# Altium PCB Motor Interface - Copy.PcbDoc (part 1 of 2) (continued)
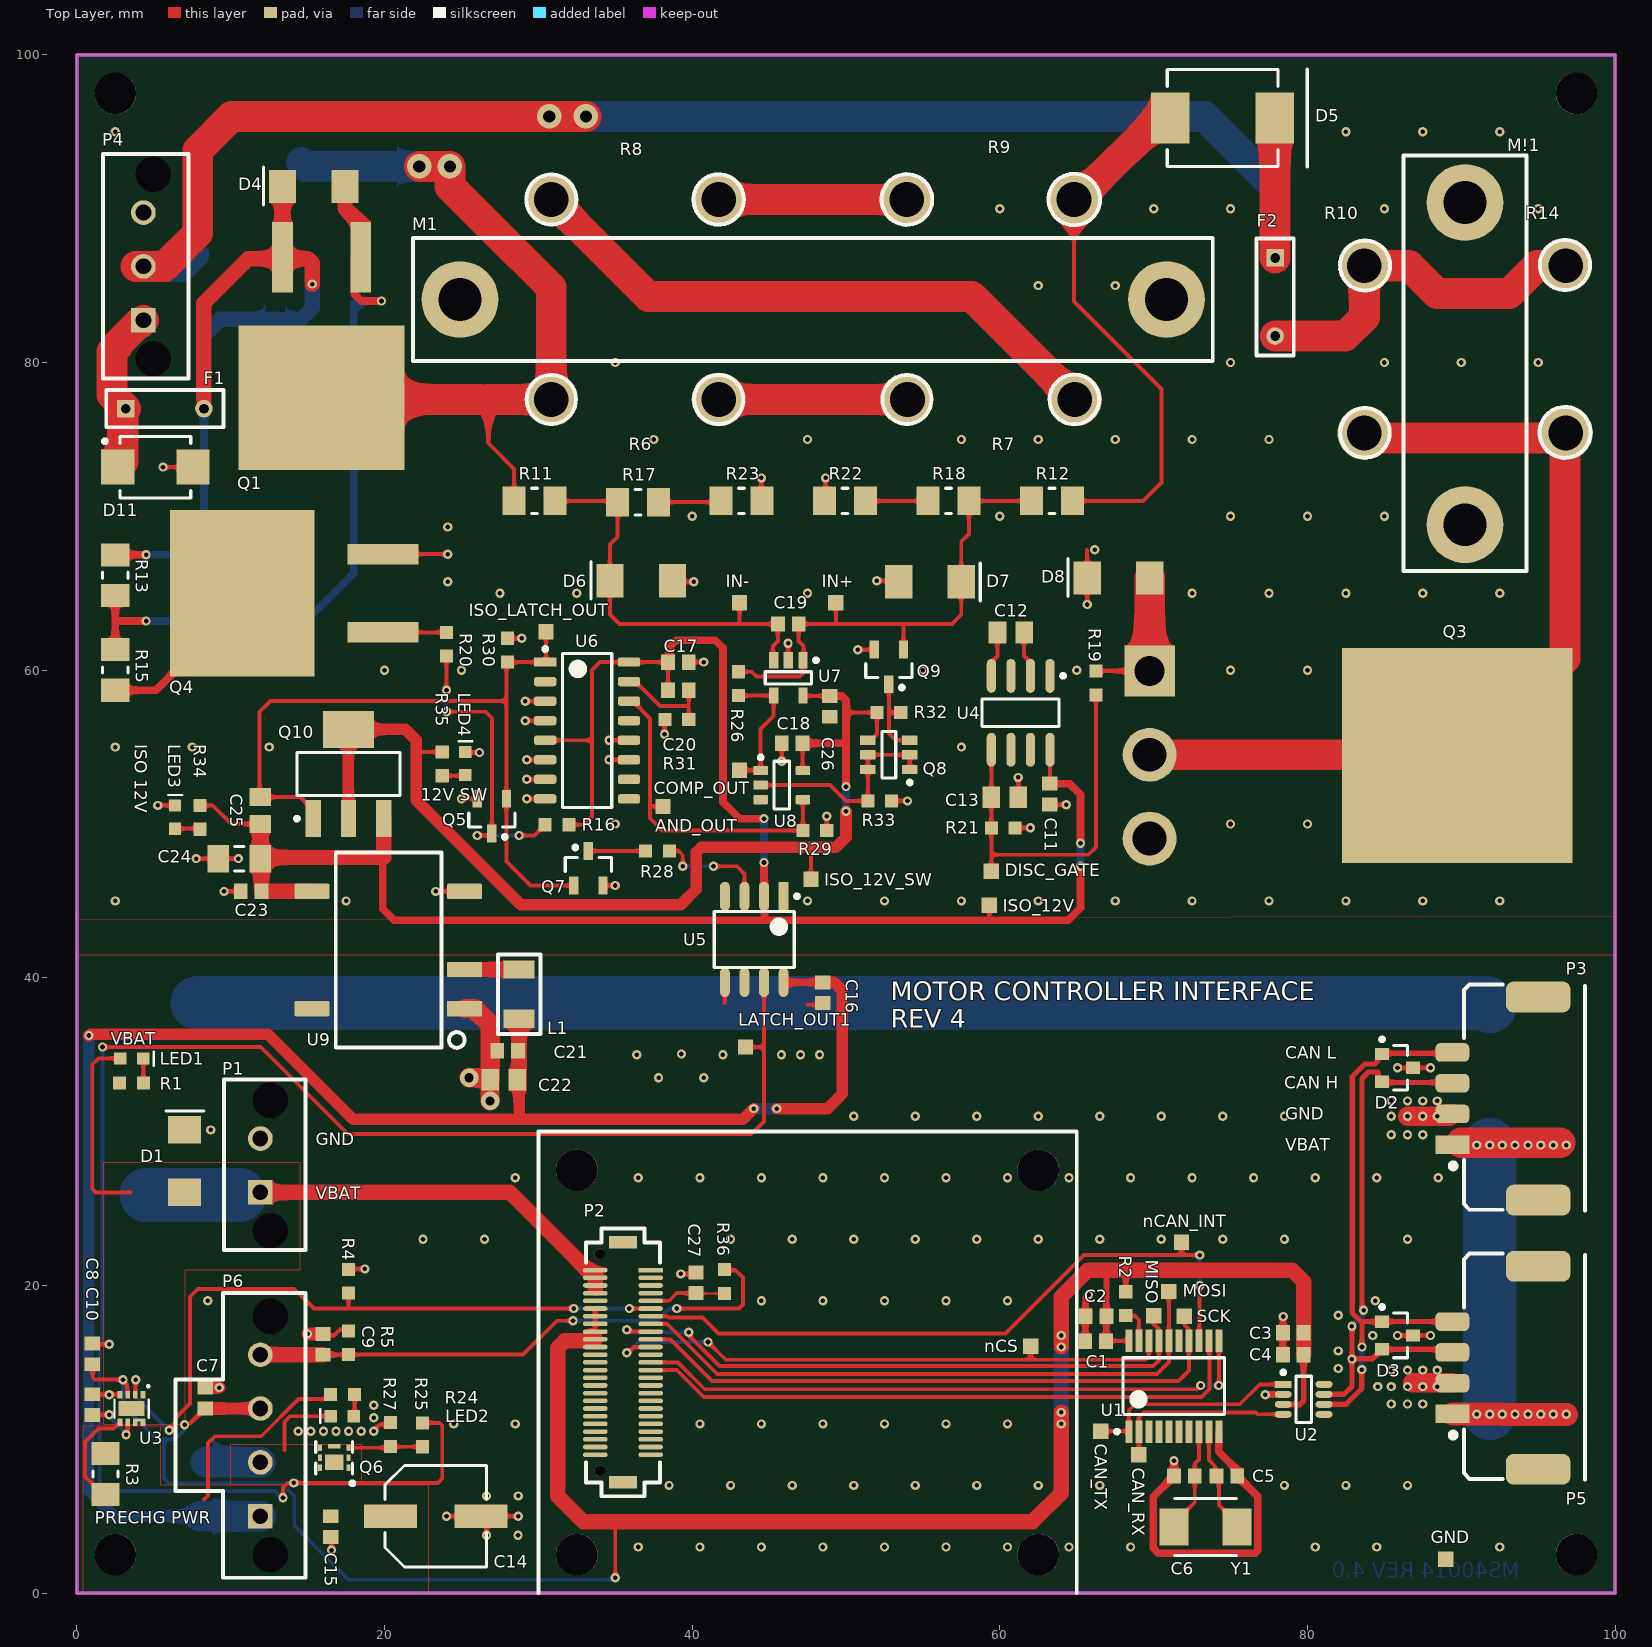
[diagram p0: Top Layer view]
## Part data (continued)
C22: "4.7µF ±20% 50V Ceramic Capacitor X5R 0805 (2012 Metric)", Manufacturer 1="Murata Electronics North America", Manufacturer Part Number 1=GRT21BR61H475ME13L, Operating Temperature="-55°C ~ 85°C", Package / Case="0805 (2012 Metric)", Ratings=AEC-Q200, Supplier Part Number 1=490-12395-1-ND, Temperature Coefficient=X5R, Tolerance=±20%, Voltage - Rated=50V, Applications=Automotive, Category=Capacitors, ComponentLink1Description=http://search.murata.co.jp/Ceramy/image/img/A01X/G101/ENG/GRT21BR61H475ME13-01.pdf, ComponentLink1URL=http://search.murata.co.jp/Ceramy/image/img/A01X/G101/ENG/GRT21BR61H475ME13-01.pdf, Description 1="CAP CER 4.7UF 50V X5R 0805", Features=-, Height - Seated (Max)=-, Lead Spacing=-, Lead Style=-, Mounting Type="Surface Mount, MLCC", Packaging="Cut Tape (CT)", Part Status=Active, Pricing 1="1=0.56, 10=0.389, 100=0.2338, 500=0.17536, 1000=0.14808 (CAD)", RoHS="RoHS Compliant", Size / Dimension="0.079\" L x 0.049\" W (2.00mm x 1.25mm)", Stock 1=4286, Supplier 1=Digi-Key, Thickness (Max)="0.057\" (1.45mm)"
C24: "2.2µF ±20% 100V Ceramic Capacitor X7R 1206 (3216 Metric)", Capacitance=2.2µF, Manufacturer 1="Murata Electronics North America", Manufacturer Part Number 1=GRM31CR72A225MA73L, Operating Temperature="-55°C ~ 125°C", Package / Case="1206 (3216 Metric)", Ratings=-, Supplier Part Number 1=490-12773-1-ND, Temperature Coefficient=X7R, Tolerance=±20%, Voltage=100V, ComponentLink1Description=http://www.murata.com/~/media/webrenewal/support/library/catalog/products/capacitor/mlcc/c02e.ashx, ComponentLink1URL=http://www.murata.com/~/media/webrenewal/support/library/catalog/products/capacitor/mlcc/c02e.ashx, Height - Seated (Max)=-, Lead Spacing=-, Lead Style=-, Mounting Type="Surface Mount, MLCC", Packaging="Cut Tape (CT)", Part Status=Active, Size / Dimension="0.126\" L x 0.063\" W (3.20mm x 1.60mm)", Supplier 1=Digi-Key, Thickness (Max)="0.071\" (1.80mm)"
CAN_RX CAN_TX MISO MOSI nCAN_INT nCS SCK: library part "Test Point"
D1: "TVS DIODE 15VWM 24.4VC SMB", Capacitance @ Frequency=-, Current - Peak Pulse (10/1000µs)=24.6A, Manufacturer 1="Fairchild/ON Semiconductor", Manufacturer Part Number 1=SMBJ15CA, Operating Temperature="-55°C ~ 150°C (TJ)", Package / Case="DO-214AA, SMB", Power - Peak Pulse=600W, Power Line Protection=No, Supplier Device Package="DO-214AA (SMB)", Supplier Part Number 1=SMBJ15CAFSCT-ND, Voltage - Breakdown (Min)=16.7V, Voltage - Clamping (Max) @ Ipp=24.4V, Voltage - Reverse Standoff (Typ)=15V, Applications="General Purpose", Category="Circuit Protection", ComponentLink1Description=https://www.fairchildsemi.com/datasheets/SM/SMBJ10CA.pdf, ComponentLink1URL=https://www.fairchildsemi.com/datasheets/SM/SMBJ10CA.pdf, Description 1="TVS DIODE 15VWM 24.4VC SMB", Mounting Type="Surface Mount", Packaging="Cut Tape (CT)", Part Status=Active, Pricing 1="1=0.54, 10=0.444, 100=0.3027, 500=0.22704, 1000=0.17028 (CAD)", RoHS="RoHS Compliant", Stock 1=24965, Supplier 1=Digi-Key, Type=Zener
D2 D3: "TVS DIODE 24VWM 70VC SOT23", Capacitance @ Frequency="11pF @ 1MHz", Current - Peak Pulse (10/1000µs)="3A (8/20µs)", Manufacturer 1="Nexperia USA Inc.", Manufacturer Part Number 1=PESD1CAN,215, Operating Temperature="-65°C ~ 150°C (TA)", Package / Case="TO-236-3, SC-59, SOT-23-3", Power - Peak Pulse=200W, Power Line Protection=No, Supplier Device Package="SOT-23 (TO-236AB)", Supplier Part Number 1=1727-3817-1-ND, Voltage - Breakdown (Min)=25.4V, Voltage - Clamping (Max) @ Ipp=70V, ComponentLink1Description=http://assets.nexperia.com/documents/data-sheet/PESD1CAN.pdf, ComponentLink1URL=http://assets.nexperia.com/documents/data-sheet/PESD1CAN.pdf, Mounting Type="Surface Mount", Packaging="Cut Tape (CT)", Part Status=Active, Supplier 1=Digi-Key, Type=Zener
D4 D6 D7 D8: "Zener Diode 16V 5W ±5% Surface Mount DO-214AA (SMB)", Manufacture="Micro Commercial Co", Manufacture Part Number=SMBJ5353B-TP, Power (Max)=5W, Supplier Part Number 1=SMBJ5353B-TPMSCT-ND, Voltage - Forward="1.2V @ 1A", Voltage - Zener (Nom)=16V, Impedence (Max)="2.5 Ohm", Supplier 1=Digi-Key
D5: Average Rectified Current=8A, Case/Package=SMC, Forward Voltage=985mV, Manufacturer=Diodes, Manufacturer Part Number=S8KC-13, Max Forward Surge Current (Ifsm)=200A, Max Operating Temperature=150°C, Max Repetitive Reverse Voltage (Vrrm)=800V, Min Operating Temperature=-65°C, Package Quantity=3000, Peak Reverse Current=10uA, Supplier Part Number 1=S8KCDICT-ND, ComponentLink1Description=https://datasheet.ciiva.com/15144/getdatasheetpartid-61102-15144323.pdf, ComponentLink1URL=https://datasheet.ciiva.com/15144/getdatasheetpartid-61102-15144323.pdf, ComponentLink2Description=https://datasheet.ciiva.com/16388/ds31117-16388346.pdf, ComponentLink2URL=https://datasheet.ciiva.com/16388/ds31117-16388346.pdf, ComponentLink3Description=https://datasheet.ciiva.com/914/ds31117-914779.pdf, ComponentLink3URL=https://datasheet.ciiva.com/914/ds31117-914779.pdf, ComponentLink4Description=https://datasheet.ciiva.com/4453/ds31117-63855-4453947.pdf, ComponentLink4URL=https://datasheet.ciiva.com/4453/ds31117-63855-4453947.pdf, Contact Plating=Tin,Matte, Element Configuration=Single, Forward Current=8A, Height=2.42mm, Lead Free="Lead Free", Length=7.11mm, Max Reverse Voltage (DC)=800V, Max Surge Current=200A, Mount="Surface Mount", Number of Pins=2, Packaging="Tape and Reel", Peak Non-Repetitive Surge Current=200A, Pricing 1="1=0.68, 10=0.598, 100=0.4586, 500=0.36256, 1000=0.29005 (USD)", Radiation Hardening=No, Reverse Voltage (DC)=800V, Stock 1=38298, Supplier 1=Digi-Key, Weight=0.007408oz, Width=6.22mm
D9: "Diode Schottky 60V 3A Surface Mount SMA", Capacitance @ Vr, F="200pF @ 4V, 1MHz", Current - Average Rectified (Io)=3A, Current - Reverse Leakage @ Vr="500µA @ 60V", Manufacturer 1="Diodes Incorporated", Manufacturer Part Number 1=B360A-13-F, Operating Temperature - Junction="-55°C ~ 150°C", Package / Case="DO-214AC, SMA", Supplier Device Package=SMA, Supplier Part Number 1=B360A-FDICT-ND, Voltage - DC Reverse (Vr) (Max)=60V, Voltage - Forward (Vf) (Max) @ If="700mV @ 3A", ComponentLink1Description=https://www.diodes.com/assets/Datasheets/ds30891.pdf, ComponentLink1URL=https://www.diodes.com/assets/Datasheets/ds30891.pdf, Diode Type=Schottky, Mounting Type="Surface Mount", Packaging="Cut Tape (CT)", Part Status=Active, Speed="Fast Recovery =< 500ns, > 200mA (Io)", Supplier 1=Digi-Key
D10 D11: library part "DIODE TVS 154V 246V DO-2144A (SMB)", Manufacturer=Littelfuse, Manufacturer Part Number=TPSMB180CA, Supplier Part Number 1=F10356CT-ND, Pricing 1="1=0.84, 10=0.734, 25=0.6504, 100=0.5664, 250=0.493, 500=0.41958, 1000=0.33566 (USD)", Stock 1=2900, Supplier 1=Digi-Key
F1 F2: library part "FUSE 3A 250VAC/450VDC RADIAL", "FUSE BOARD MNT 3A 250VAC/450VDC", Case/Package=Radial, Current Rating=3A, Manufacturer=Eaton, Manufacturer Part Number=BK/PCC-3-R, Supplier Part Number 1=283-2768-ND, Voltage Rating=250V, Voltage Rating (DC)=450V, Approvals=CSA,UL, ComponentLink1Description=http://www.cooperindustries.com/content/dam/public/bussmann/Electronics/Resources/product-datasheets/Bus_Elx_DS_2034_PC_Tron_Series.pdf, ComponentLink1URL=http://www.cooperindustries.com/content/dam/public/bussmann/Electronics/Resources/product-datasheets/Bus_Elx_DS_2034_PC_Tron_Series.pdf, Contact Plating=Tin, Depth=2.41mm, Fuse Type="Board Mount (Cartridge Style Excluded)", Height=0.17inch, Housing Material=Plastic, Length=0.3inch, Mount="Through Hole", Number of Pins=2, Packaging=Bulk, RoHS=Yes, Stock 1=4171, Supplier 1=Digi-Key, Supplier Packaging 1=Bulk, Voltage Rating (AC)=250V, Width=0.095inch
L1: "6.8µH Shielded Wirewound Inductor 260mA 204 mOhm Max 1210 (3225 Metric)", Current - Saturation=-, Current Rating=260mA, DC Resistance (DCR)="204 mOhm Max", Inductance=6.8µH, Manufacturer 1="TDK Corporation", Manufacturer Part Number 1=NLFV32T-6R8M-EF, Operating Temperature="-40°C ~ 105°C", Package / Case="1210 (3225 Metric)", Supplier Part Number 1=445-15776-1-ND, Tolerance=±20%, ComponentLink1Description=https://product.tdk.com/info/en/catalog/datasheets/inductor_commercial_decoupling_nlfv32-ef_en.pdf, ComponentLink1URL=https://product.tdk.com/info/en/catalog/datasheets/inductor_commercial_decoupling_nlfv32-ef_en.pdf, Frequency - Self Resonant=-, Height - Seated (Max)="0.094\" (2.40mm)", Material - Core=Ferrite, Mounting Type="Surface Mount", Packaging="Cut Tape (CT)", Part Status=Active, Q @ Freq=-, Ratings=-, Shielding=Shielded, Size / Dimension="0.126\" L x 0.098\" W (3.20mm x 2.50mm)", Supplier 1=Digi-Key, Supplier Device Package="1210 (3225 Metric)", Type=Wirewound
LED1: "Green 572nm LED Indication - Discrete 2V 0603 (1608 Metric)", Color=Green, Current - Test=20mA, Lens Color=Colorless, Manufacturer="Wurth Electronics Inc.", Manufacturer Part Number=150060VS75000, Millicandela Rating=40mcd, Package / Case="0603 (1608 Metric)", Supplier Device Package=0603, Supplier Part Number 1=732-4980-1-ND, Voltage - Forward (Vf) (Typ)=2V, Category=Optoelectronics, ComponentLink1Description=http://katalog.we-online.de/led/datasheet/150060VS75000.pdf, ComponentLink1URL=http://katalog.we-online.de/led/datasheet/150060VS75000.pdf, Features=-, Height (Max)=0.80mm, Lens Style/Size="Rectangle with Flat Top, 1.10mm x 0.70mm", Lens Transparency=Clear, Mounting Type="Surface Mount", Packaging="Cut Tape (CT)", Part Status=Active, Pricing 1="1=0.21, 100=0.1617, 500=0.13964 (CAD)", RoHS="RoHS Compliant", Size / Dimension="1.60mm L x 0.80mm W", Stock 1=9408, Supplier 1=Digi-Key, Viewing Angle=140°, Wavelength - Dominant=570nm, Wavelength - Peak=572nm
LED2 LED3: "Blue 470nm LED Indication - Discrete 2.8V 0603 (1608 Metric)", Color=Blue, Current - Test=5mA, Lens Color=Colorless, Manufacturer 1="Lite-On Inc.", Manufacturer Part Number 1=LTST-C193TBKT-5A, Millicandela Rating=15mcd, Package / Case="0603 (1608 Metric)", Supplier Device Package="Chip LED", Supplier Part Number 1=160-1827-1-ND, Voltage - Forward (Vf) (Typ)=2.8V, ComponentLink1Description=http://optoelectronics.liteon.com/upload/download/DS22-2004-060/P_100_LTST-C193TBKT-5A.pdf, ComponentLink1URL=http://optoelectronics.liteon.com/upload/download/DS22-2004-060/P_100_LTST-C193TBKT-5A.pdf, Height (Max)=0.45mm, Lens Style/Size="Rectangle with Flat Top, 1.15mm x 0.80mm", Lens Transparency=Clear, Mounting Type="Surface Mount", Packaging="Cut Tape (CT)", Part Status=Active, Size / Dimension="1.60mm L x 0.80mm W", Supplier 1=Digi-Key, Viewing Angle=130°, Wavelength - Dominant=470nm, Wavelength - Peak=468nm
LED4: "Yellow 590nm LED Indication - Discrete 2V 0603 (1608 Metric)", Color=Yellow, Current - Test=20mA, Lens Color=Colorless, Manufacturer="Wurth Electronics Inc.", Manufacturer Part Number=150060YS75000, Millicandela Rating=120mcd, Package / Case="0603 (1608 Metric)", Supplier Device Package=0603, Supplier Part Number 1=732-4981-1-ND, Voltage - Forward (Vf) (Typ)=2V, Category=Optoelectronics, ComponentLink1Description=http://katalog.we-online.de/led/datasheet/150060YS75000.pdf, ComponentLink1URL=http://katalog.we-online.de/led/datasheet/150060YS75000.pdf, Features=-, Height (Max)=0.80mm, Lens Style/Size="Rectangle with Flat Top, 1.10mm x 0.70mm", Lens Transparency=Clear, Mounting Type="Surface Mount", Packaging="Cut Tape (CT)", Part Status=Active, Pricing 1="1=0.21, 100=0.1617, 500=0.13964 (CAD)", RoHS="RoHS Compliant", Size / Dimension="1.60mm L x 0.80mm W", Stock 1=10523, Supplier 1=Digi-Key, Viewing Angle=140°, Wavelength - Dominant=590nm, Wavelength - Peak=595nm
M1: "n Heat Sink TO-220, TO-247, TO-264 Aluminum Board Level, Vertical", Manufacturer=Wakefield, Manufacturer Part Number=OMNI-UNI-30-50-D, Supplier Part Number 1=345-1574-ND, Pricing 1="1=4.09, 10=3.98, 25=3.8724, 50=3.6572, 100=3.4421, 250=3.22696, 500=3.11938, 1000=2.79669 (USD)", Stock 1=465, Supplier 1=Digi-Key
M!1: "Heat Sink TO-220, TO-247, TO-264 Aluminum Board Level, Vertical", Manufacturer=Wakefield, Manufacturer Part Number=OMNI-UNI-30-50-D, Supplier Part Number 1=345-1573-ND, Pricing 1="1=2.8, 10=2.728, 25=2.6544, 50=2.5068, 100=2.3594, 250=2.21192, 500=2.13818, 1000=1.91698, 5000=1.88012 (USD)", Stock 1=499, Supplier 1=Digi-Key
P1: "2 Positions Header, Shrouded Connector 0.138\" (3.50mm) Through Hole Gold", Current Rating=-, Insulation Color=Black, Manufacturer 1="Molex, LLC", Manufacturer Part Number 1=1722861302, Material Flammability Rating="UL94 V-0", Operating Temperature="-40°C ~ 120°C", Supplier Part Number 1=WM11673-ND, Voltage=400V, ComponentLink1Description=http://www.molex.com/pdm_docs/sd/1722861302_sd.pdf, ComponentLink1URL=http://www.molex.com/pdm_docs/sd/1722861302_sd.pdf, Connector Type=Header, Contact Finish - Mating=Gold, Contact Finish - Post=Tin, Contact Finish Thickness - Mating="30µin (0.76µm)", Contact Finish Thickness - Post="60µin (1.52µm)", Contact Length - Mating=-, Contact Length - Post="0.126\" (3.20mm)", Contact Material="Copper Alloy", Contact Shape=Square, Contact Type="Male Pin", Fastening Type="Latch Holder", Ingress Protection=-, Insulation Height="0.465\" (11.80mm)", Insulation Material="Liquid Crystal Polymer (LCP)", Mated Stacking Heights=26.99mm, Mounting Type="Through Hole", Number of Positions=2, Number of Positions Loaded=All, Number of Rows=1, Overall Contact Length=-, Packaging=Tray, Part Status=Active, Pitch - Mating="0.138\" (3.50mm)", Row Spacing - Mating=-, Series=UltraFit, Shrouding="Shrouded - 4 Wall", Style="Board to Board or Cable", Supplier 1=Digi-Key, Termination="Kinked Pin, Solder"
P2: "50 Position Connector Plug, Outer Shroud Contacts Surface Mount Gold", Manufacturer 1="Amphenol FCI", Manufacturer Part Number 1=10132797-055100LF, Supplier Part Number 1=609-5226-1-ND, ComponentLink1Description=http://portal.fciconnect.com/Comergent//fci/drawing/10132797.pdf, ComponentLink1URL=http://portal.fciconnect.com/Comergent//fci/drawing/10132797.pdf, Connector Type="Plug, Outer Shroud Contacts", Contact Finish=Gold, Contact Finish Thickness="1µin (0.025µm)", Height Above Board="0.169\" (4.30mm)", Mated Stacking Heights=5mm, Mounting Type="Surface Mount", Number of Positions=50, Number of Rows=2, Packaging="Cut Tape (CT)", Part Status=Active, Pitch="0.020\" (0.50mm)", Series="BergStak Plug", Supplier 1=Digi-Key
P3 P5: library part "CONN 4POS DURA-CLIK 0.079\"", "4 Positions Header Connector 0.079\" (2.00mm) Surface Mount Tin", Current Rating=-, Insulation Color=Natural, Manufacturer="Molex, LLC", Manufacturer Part Number=5600200420, Supplier Part Number 1=WM10864CT-ND, Applications="Automotive, Industrial", Category="Connectors, Interconnects", ComponentLink1Description=http://www.molex.com/pdm_docs/sd/5600200420_sd.pdf, ComponentLink1URL=http://www.molex.com/pdm_docs/sd/5600200420_sd.pdf, Connector Type=Header, Contact Finish - Mating=Tin, Contact Finish - Post=Tin, Contact Finish Thickness - Mating=-, Contact Finish Thickness - Post=-, Contact Length - Mating=-, Contact Length - Post=-, Contact Material="Copper Alloy", Contact Shape=Square, Contact Type="Male Pin", Fastening Type="Latch Lock", Features="Solder Retention", Ingress Protection=-, Insulation Height="0.315\" (8.00mm)", Insulation Material="Polyamide (PA), Nylon", Mated Stacking Heights=9.3mm, Material Flammability Rating=-, Mounting Type="Surface Mount", Number of Positions=4, Number of Positions Loaded=All, Number of Rows=1, Operating Temperature=-, Overall Contact Length=-, Packaging="Cut Tape (CT)", Part Status=Active, Pitch - Mating="0.079\" (2.00mm)", Pricing 1="1=2.23, 10=2.022, 25=1.898, 50=1.8156, 100=1.733 (CAD)", RoHS="RoHS Compliant", Row Spacing - Mating=-, Shrouding="Shrouded - 4 Wall", Stock 1=9367, Style="Board to Cable/Wire", Supplier 1=Digi-Key, Termination=Solder, Voltage Rating=-
P4: "3 Positions Header Connector 0.138\" (3.50mm) Through Hole Tin", Current Rating=-, Insulation Color=Black, Manufacturer 1="Molex, LLC", Manufacturer Part Number 1=1722871103, Material Flammability Rating="UL94 V-0", Operating Temperature="-40°C ~ 105°C", Supplier Part Number 1=WM11702-ND, Voltage=400V, ComponentLink1Description=http://www.molex.com/pdm_docs/sd/1722871103_sd.pdf, ComponentLink1URL=http://www.molex.com/pdm_docs/sd/1722871103_sd.pdf, Connector Type=Header, Contact Finish - Mating=Tin, Contact Finish - Post=Tin, Contact Finish Thickness - Mating="60µin (1.52µm)", Contact Finish Thickness - Post="60µin (1.52µm)", Contact Length - Mating=-, Contact Length - Post="0.126\" (3.20mm)", Contact Material="Copper Alloy", Contact Shape=Square, Contact Type="Male Pin", Fastening Type="Latch Holder", Ingress Protection=-, Insulation Height="0.465\" (11.80mm)", Insulation Material="Liquid Crystal Polymer (LCP)", Mated Stacking Heights=26.99mm, Mounting Type="Through Hole", Number of Positions=3, Number of Positions Loaded=All, Number of Rows=1, Overall Contact Length=-, Packaging=Tray, Part Status=Active, Pitch - Mating="0.138\" (3.50mm)", Row Spacing - Mating=-, Series=UltraFit, Shrouding="Shrouded - 4 Wall", Style="Board to Cable/Wire", Supplier 1=Digi-Key, Termination=Solder
P6: "4 Positions Header Connector 0.138\" (3.50mm) Through Hole Tin", Current Rating=-, Insulation Color=Black, Manufacturer 1="Molex, LLC", Manufacturer Part Number 1=1722871104, Material Flammability Rating="UL94 V-0", Operating Temperature="-40°C ~ 105°C", Supplier Part Number 1=WM11703-ND, Voltage=400V, ComponentLink1Description=http://www.molex.com/pdm_docs/sd/1722871104_sd.pdf, ComponentLink1URL=http://www.molex.com/pdm_docs/sd/1722871104_sd.pdf, Connector Type=Header, Contact Finish - Mating=Tin, Contact Finish - Post=Tin, Contact Finish Thickness - Mating="60µin (1.52µm)", Contact Finish Thickness - Post="60µin (1.52µm)", Contact Length - Mating=-, Contact Length - Post="0.126\" (3.20mm)", Contact Material="Copper Alloy", Contact Shape=Square, Contact Type="Male Pin", Fastening Type="Latch Holder", Ingress Protection=-, Insulation Height="0.465\" (11.80mm)", Insulation Material="Liquid Crystal Polymer (LCP)", Mated Stacking Heights=26.99mm, Mounting Type="Through Hole", Number of Positions=4, Number of Positions Loaded=All, Number of Rows=1, Overall Contact Length=-, Packaging=Tray, Part Status=Active, Pitch - Mating="0.138\" (3.50mm)", Row Spacing - Mating=-, Series=UltraFit, Shrouding="Shrouded - 4 Wall", Style="Board to Cable/Wire", Supplier 1=Digi-Key, Termination=Solder
Q1 Q2: library part "MOSFET P-CH 500V 10A 300W TO-263", "P-Channel 500V 10A (Tc) 300W (Tc) Surface Mount TO-263 (IXTA)", Case/Package=TO-263, Continuous Drain Current (ID)=10A, Drain to Source Breakdown Voltage=-500V, Drain to Source Resistance=1R, Drain to Source Voltage (Vdss)=500V, Gate to Source Voltage (Vgs)=20V, Input Capacitance=2.84nF, Manufacturer=IXYS, Max Operating Temperature=150°C, Max Power Dissipation=300W, Min Operating Temperature=-55°C, Package Quantity=50, Supplier Part Number 1=IXTA10P50P-ND, ComponentLink1Description=https://datasheet.ciiva.com/15203/getdatasheetpartid-371166-15203275.pdf, ComponentLink1URL=https://datasheet.ciiva.com/15203/getdatasheetpartid-371166-15203275.pdf, Element Configuration=Single, Fall Time=44ns, Lead Free="Lead Free", Manufacturer Part Number=IXTA10P50P, Mount="Surface Mount", Number of Elements=1, On-State Resistance=1R, Packaging=Rail/Tube, Power Dissipation=300W, Pricing 1="1=5.96, 10=5.319, 100=4.3614, 500=3.53166, 1000=2.9785 (USD)", Radiation Hardening=No, Rds On Max=1R, Rise Time=28ns, Stock 1=2142, Supplier 1=Digi-Key, Turn-Off Delay Time=52ns
Q3: "N-Channel 500V 6A (Tc) 300W (Tc) Through Hole TO-247 (IXTH)", Case/Package=TO-247-3, Continuous Drain Current (ID)=6A, Drain to Source Voltage (Vdss)=500V, Input Capacitance=2.8nF, Manufacturer=IXYS, Manufacturer Part Number=IXTH6N50D2, Max Power Dissipation=300W, Package Quantity=30, Supplier Part Number 1=IXTH6N50D2-ND, ComponentLink1Description=https://datasheet.ciiva.com/949/ds100177bixta-tp-th6n50d2-949628.pdf, ComponentLink1URL=https://datasheet.ciiva.com/949/ds100177bixta-tp-th6n50d2-949628.pdf, ComponentLink2Description=https://datasheet.ciiva.com/26790/ixth6n50d2-26790808.pdf, ComponentLink2URL=https://datasheet.ciiva.com/26790/ixth6n50d2-26790808.pdf, Mount="Through Hole", Packaging=Rail/Tube, Pricing 1="1=7.25, 10=6.521, 100=5.3613, 500=4.4919, 1000=3.9123 (USD)", Rds On Max=500mR, Stock 1=79, Supplier 1=Digi-Key
Q4: "N-Channel 650V 8A (Tc) 150W (Tc) Surface Mount TO-263", Case/Package=TO-263-3, Continuous Drain Current (ID)=8A, Drain to Source Voltage (Vdss)=650V, Input Capacitance=800pF, Manufacturer=IXYS, Manufacturer Part Number=IXTA8N65X2, Max Operating Temperature=150°C, Max Power Dissipation=150W, Min Operating Temperature=-55°C, Supplier Part Number 1=IXTA8N65X2-ND, ComponentLink1Description=http://www.mouser.com/ds/2/205/DS100649B(IXTY-TA-TP8N65X2)-1132259.pdf, ComponentLink1URL=http://www.mouser.com/ds/2/205/DS100649B(IXTY-TA-TP8N65X2)-1132259.pdf, ComponentLink2Description=http://ixapps.ixys.com/DataSheet/DS100649B(IXTY-TA-TP8N65X2).pdf, ComponentLink2URL=http://ixapps.ixys.com/DataSheet/DS100649B(IXTY-TA-TP8N65X2).pdf, Mount="Surface Mount", Packaging=Rail/Tube, Pricing 1="1=2.85, 10=2.576, 100=2.07, 500=1.61, 1000=1.334 (USD)", Rds On Max=500mR, Stock 1=69, Supplier 1=Digi-Key
Q5 Q7 Q9: "N-Channel 60V 310mA (Ta) 370mW (Ta) Surface Mount SOT-23", Case/Package=TO-236-3, Continuous Drain Current (ID)=1.6A, Drain to Source Breakdown Voltage=60V, Drain to Source Resistance=140mR, Gate to Source Voltage (Vgs)=20V, Input Capacitance=315pF, Manufacturer=Diodes, Manufacturer Part Number=DMN6140L-7, Max Operating Temperature=150°C, Max Power Dissipation=700mW, Min Operating Temperature=-55°C, Package Quantity=3000, Power Dissipation=540mW, Supplier Part Number 1=DMN65D8L-7DICT-ND, Threshold Voltage=3V, ComponentLink1Description=https://datasheet.ciiva.com/29747/dmn6140l-29747654.pdf, ComponentLink1URL=https://datasheet.ciiva.com/29747/dmn6140l-29747654.pdf, ComponentLink2Description=https://datasheet.ciiva.com/29747/dmn6140l-29747660.pdf, ComponentLink2URL=https://datasheet.ciiva.com/29747/dmn6140l-29747660.pdf, ComponentLink3Description=https://datasheet.ciiva.com/6371/dmn65d8l-6371124.pdf, ComponentLink3URL=https://datasheet.ciiva.com/6371/dmn65d8l-6371124.pdf, ComponentLink4Description=https://datasheet.ciiva.com/6371/dmn65d8l-6371126.pdf, ComponentLink4URL=https://datasheet.ciiva.com/6371/dmn65d8l-6371126.pdf, ComponentLink5Description=https://datasheet.ciiva.com/13058/dmn65d8l-219098-13058455.pdf, ComponentLink5URL=https://datasheet.ciiva.com/13058/dmn65d8l-219098-13058455.pdf, ComponentLink6Description=https://datasheet.ciiva.com/6371/dmn65d8l-6371128.pdf, ComponentLink6URL=https://datasheet.ciiva.com/6371/dmn65d8l-6371128.pdf, Drain to Source Voltage (Vdss)=60V, Element Configuration=Single, Fall Time=2.7ns, FET Type="1 N-Channel", Height=1.1mm, Lead Free="Lead Free", Length=3mm, Mount="Surface Mount", Number of Channels=1, Number of Elements=1, Number of Pins=3, Packaging="Tape and Reel", Rds On Max=140mR, REACH SVHC="No SVHC", Rise Time=3.6ns, Stock 1=0, Supplier 1=Digi-Key, Turn-Off Delay Time=16.3ns, Turn-On Delay Time=2.6ns, Weight=0.000282oz, Width=1.4mm
Q6: Current - Continuous Drain (Id) @ 25°C=8.7A, Drain to Source Voltage (Vdss)=30V, Drive Voltage (Max Rds On,  Min Rds On)="2.5V, 4.5V", Input Capacitance (Ciss) (Max) @ Vds="1019pF @ 25V", Manufacturer 1="Infineon Technologies", Manufacturer Part Number 1=IRLHS6342TRPBF, Operating Temperature="-55°C ~ 150°C (TJ)", Package / Case=6-PowerVDFN, Power Dissipation (Max)=2.1W, Supplier Device Package="6-PQFN (2x2)", Supplier Part Number 1=IRLHS6342TRPBFCT-ND, Category="Discrete Semiconductor Products", ComponentLink1Description=http://www.infineon.com/dgdl/irlhs6342pbf.pdf?fileId=5546d462533600a401535663b52625ad, ComponentLink1URL=http://www.infineon.com/dgdl/irlhs6342pbf.pdf?fileId=5546d462533600a401535663b52625ad, Description 1="MOSFET N-CH 30V 8.7A 2X2 PQFN", FET Feature=-, FET Type=N-Channel, Gate Charge (Qg) (Max) @ Vgs="11nC @ 4.5V", Mounting Type="Surface Mount", Packaging="Cut Tape (CT)", Part Status=Active, Pricing 1="1=0.79, 10=0.685, 100=0.5118, 500=0.4022, 1000=0.31079 (CAD)", Rds On (Max) @ Id, Vgs="15.5 mOhm @ 8.5A, 4.5V", RoHS="RoHS Compliant", Stock 1=9984, Supplier 1=Digi-Key, Technology="MOSFET (Metal Oxide)", Vgs (Max)=±12V, Vgs(th) (Max) @ Id="1.1V @ 10µA"
Q8: "P-Channel 30V 4A (Ta) 1.6W (Ta) Surface Mount SOT-23-6", Current - Continuous Drain (Id) @ 25°C="4A (Ta)", Drain to Source Voltage (Vdss)=30V, Drive Voltage (Max Rds On,  Min Rds On)="4.5V, 10V", Input Capacitance (Ciss) (Max) @ Vds="639pF @ 25V", Manufacturer 1=STMicroelectronics, Manufacturer Part Number 1=STT4P3LLH6, Operating Temperature="150°C (TJ)", Package / Case=SOT-23-6, Power Dissipation (Max)="1.6W (Ta)", Supplier Part Number 1=497-15521-1-ND, ComponentLink1Description=http://www.st.com/content/ccc/resource/technical/document/datasheet/13/e4/a1/65/8b/79/44/73/DM00084060.pdf/files/DM00084060.pdf/jcr:content/translations/en.DM00084060.pdf, ComponentLink1URL=http://www.st.com/content/ccc/resource/technical/document/datasheet/13/e4/a1/65/8b/79/44/73/DM00084060.pdf/files/DM00084060.pdf/jcr:content/translations/en.DM00084060.pdf, FET Feature=-, FET Type=P-Channel, Gate Charge (Qg) (Max) @ Vgs="6nC @ 4.5V", Mounting Type="Surface Mount", Packaging="Cut Tape (CT)", Part Status=Active, Rds On (Max) @ Id, Vgs="56 mOhm @ 2A, 10V", Supplier 1=Digi-Key, Supplier Device Package=SOT-23-6, Technology="MOSFET (Metal Oxide)", Vgs (Max)=±20V, Vgs(th) (Max) @ Id="2.5V @ 250µA"
Q10: library part "MOSFET P-CH 60V 3A SOT223", "P-Channel 60V 3A (Ta) 2W (Ta) Surface Mount SOT-223", Case/Package=TO-261-4, Continuous Drain Current (ID)=3A, Drain to Source Breakdown Voltage=-60V, Drain to Source Resistance=190mR, Drain to Source Voltage (Vdss)=60V, Gate to Source Voltage (Vgs)=20V, Input Capacitance=637pF, Manufacturer=Diodes, Manufacturer Part Number=ZXMP6A17GQTA, Max Operating Temperature=150°C, Max Power Dissipation=2W, Min Operating Temperature=-55°C, Package Quantity=1, Supplier Part Number 1=ZXMP6A17GQTADIDKR-ND, ComponentLink1Description=https://datasheet.ciiva.com/29747/zxmp6a17gq-29747441.pdf, ComponentLink1URL=https://datasheet.ciiva.com/29747/zxmp6a17gq-29747441.pdf, ComponentLink2Description=https://datasheet.ciiva.com/29747/zxmp6a17gq-29747434.pdf, ComponentLink2URL=https://datasheet.ciiva.com/29747/zxmp6a17gq-29747434.pdf, ComponentLink3Description=https://datasheet.ciiva.com/29747/zxmp6a17gq-29747438.pdf, ComponentLink3URL=https://datasheet.ciiva.com/29747/zxmp6a17gq-29747438.pdf, Element Configuration=Single, Fall Time=11.3ns, Lead Free="Lead Free", Mount="Surface Mount", Number of Channels=1, Number of Pins=3, Packaging="Tape and Reel", Pricing 1="1=0.9, 10=0.788, 100=0.6076, 500=0.45012 (USD)", Radiation Hardening=No, Rds On Max=125mR, REACH SVHC="No SVHC", Rise Time=3.4ns, Stock 1=815, Supplier 1=Digi-Key, Turn-Off Delay Time=26.2ns, Turn-On Delay Time=2.6ns, Weight=0.000282oz
R1 R2 R4 R5 R16 R21 R24 R27 R29 R30 R31 R32 R33 R34 R35: "RES SMD 10K OHM 1% 1/10W 0603", Manufacturer 1=Yageo, Manufacturer Part Number 1=RC0603FR-0710KL, Operating Temperature="-55°C ~ 155°C", Package / Case="0603 (1608 Metric)", Power=1/10W, Resistance=10k, Supplier Device Package=0603, Supplier Part Number 1=311-10.0KHRCT-ND, Temperature Coefficient=±100ppm/°C, Tolerance=±1%, ComponentLink1Description=http://www.yageo.com/documents/recent/PYu-RC_Group_51_RoHS_L_7.pdf, ComponentLink1URL=http://www.yageo.com/documents/recent/PYu-RC_Group_51_RoHS_L_7.pdf, Composition="Thick Film", Failure Rate=-, Height - Seated (Max)="0.022\" (0.55mm)", Packaging="Cut Tape (CT)", Part Status=Active, Size / Dimension="0.063\" L x 0.031\" W (1.60mm x 0.80mm)", Supplier 1=Digi-Key
R3: library part "RES 200 OHM 5% 2/3W 1206", "200 Ohms ±5% 0.667W, 2/3W Chip Resistor 1206 (3216 Metric) Automotive AEC-Q200, Pulse Withstanding Thick Film", Case/Package=1206, Case Code (Metric)=3216, Manufacturer=Panasonic, Manufacturer Part Number=ERJ-P08J201V, Max Operating Temperature=155°C, Max Power Dissipation=667mW, Min Operating Temperature=-55°C, Package Quantity=1, Power Rating=660mW, Resistance=200R, Supplier Part Number 1=P200ALCT-ND, Temperature Coefficient=200ppm/°C, Tolerance=5%, Voltage Rating=500V, Voltage Rating (DC)=200V, Case Code (Imperial)=1206, ComponentLink1Description=https://datasheet.ciiva.com/17207/aoa0000ce4-17207029.pdf, ComponentLink1URL=https://datasheet.ciiva.com/17207/aoa0000ce4-17207029.pdf, ComponentLink2Description=https://datasheet.ciiva.com/9184/aoa0000ce4-9184599.pdf, ComponentLink2URL=https://datasheet.ciiva.com/9184/aoa0000ce4-9184599.pdf, ComponentLink3Description=https://datasheet.ciiva.com/9184/aoa0000ce4-9184603.pdf, ComponentLink3URL=https://datasheet.ciiva.com/9184/aoa0000ce4-9184603.pdf, ComponentLink4Description=https://datasheet.ciiva.com/30201/aoa0000ce4-30201485.pdf, ComponentLink4URL=https://datasheet.ciiva.com/30201/aoa0000ce4-30201485.pdf, Composition="Thick Film", Contact Plating=Tin, Height=0.028inch, Lead Free="Contains Lead", Length=3.2mm, Mount="Surface Mount", Number of Terminations=2, Packaging="Tape and Reel", Pricing 1="1=0.16, 10=0.137, 100=0.0534, 1000=0.02237, 2500=0.02051 (USD)", Radiation Hardening=No, Stock 1=32165, Supplier 1=Digi-Key, Termination=SMD/SMT, Width=1.6mm
R6 R7 R8 R9: "18 Ohms ±5% 100W Through Hole Resistor TO-247-2 Moisture Resistant, Non-Inductive Thick Film", Case/Package=TO-247-2, Manufacturer=Ohmite, Manufacturer Part Number=AP10118RJ, Max Operating Temperature=175°C, Max Power Dissipation=100W, Min Operating Temperature=-65°C, Resistance=18R, Supplier Part Number 1="AP101 18R J-ND", Temperature Coefficient=100ppm/°C, Tolerance=5%, Voltage Rating=700V, ComponentLink1Description=http://www.farnell.com/datasheets/2015590.pdf, ComponentLink1URL=http://www.farnell.com/datasheets/2015590.pdf, ComponentLink2Description=http://www.mouser.com/ds/2/303/acl_ap101-773331.pdf, ComponentLink2URL=http://www.mouser.com/ds/2/303/acl_ap101-773331.pdf, ComponentLink3Description=http://www.ohmite.com/cat/acl_ap101.pdf, ComponentLink3URL=http://www.ohmite.com/cat/acl_ap101.pdf, Composition="Thick Film", Height=0.825inch, Length=0.62inch, Number of Terminations=2, Packaging=Tray, Power Rating=100W, REACH SVHC=Unknown, Stock 1=0, Supplier 1=Digi-Key, Voltage Rating (DC)=700V, Width=0.195inch
R10 R14: Case/Package=TO-247-2, Manufacturer=Ohmite, Manufacturer Part Number=AP101330RJ, Max Operating Temperature=175°C, Max Power Dissipation=100W, Min Operating Temperature=-65°C, Resistance=330R, Supplier Part Number 1="AP101 330R J-ND", Temperature Coefficient=100ppm/°C, Tolerance=5%, Voltage Rating=700V, ComponentLink1Description=http://www.mouser.com/ds/2/303/acl_ap101-773331.pdf, ComponentLink1URL=http://www.mouser.com/ds/2/303/acl_ap101-773331.pdf, ComponentLink2Description=http://www.farnell.com/datasheets/2015590.pdf, ComponentLink2URL=http://www.farnell.com/datasheets/2015590.pdf, ComponentLink3Description=http://www.ohmite.com/cat/acl_ap101.pdf, ComponentLink3URL=http://www.ohmite.com/cat/acl_ap101.pdf, Composition="Thick Film", Height=0.825inch, Length=0.62inch, Number of Terminations=2, Packaging=Tray, Power Rating=100W, Stock 1=0, Supplier 1=Digi-Key, Voltage Rating (DC)=700V, Width=0.195inch